# Altium PCB fmuvxX-baseT1.PcbDoc (part 1 of 5) (continued)
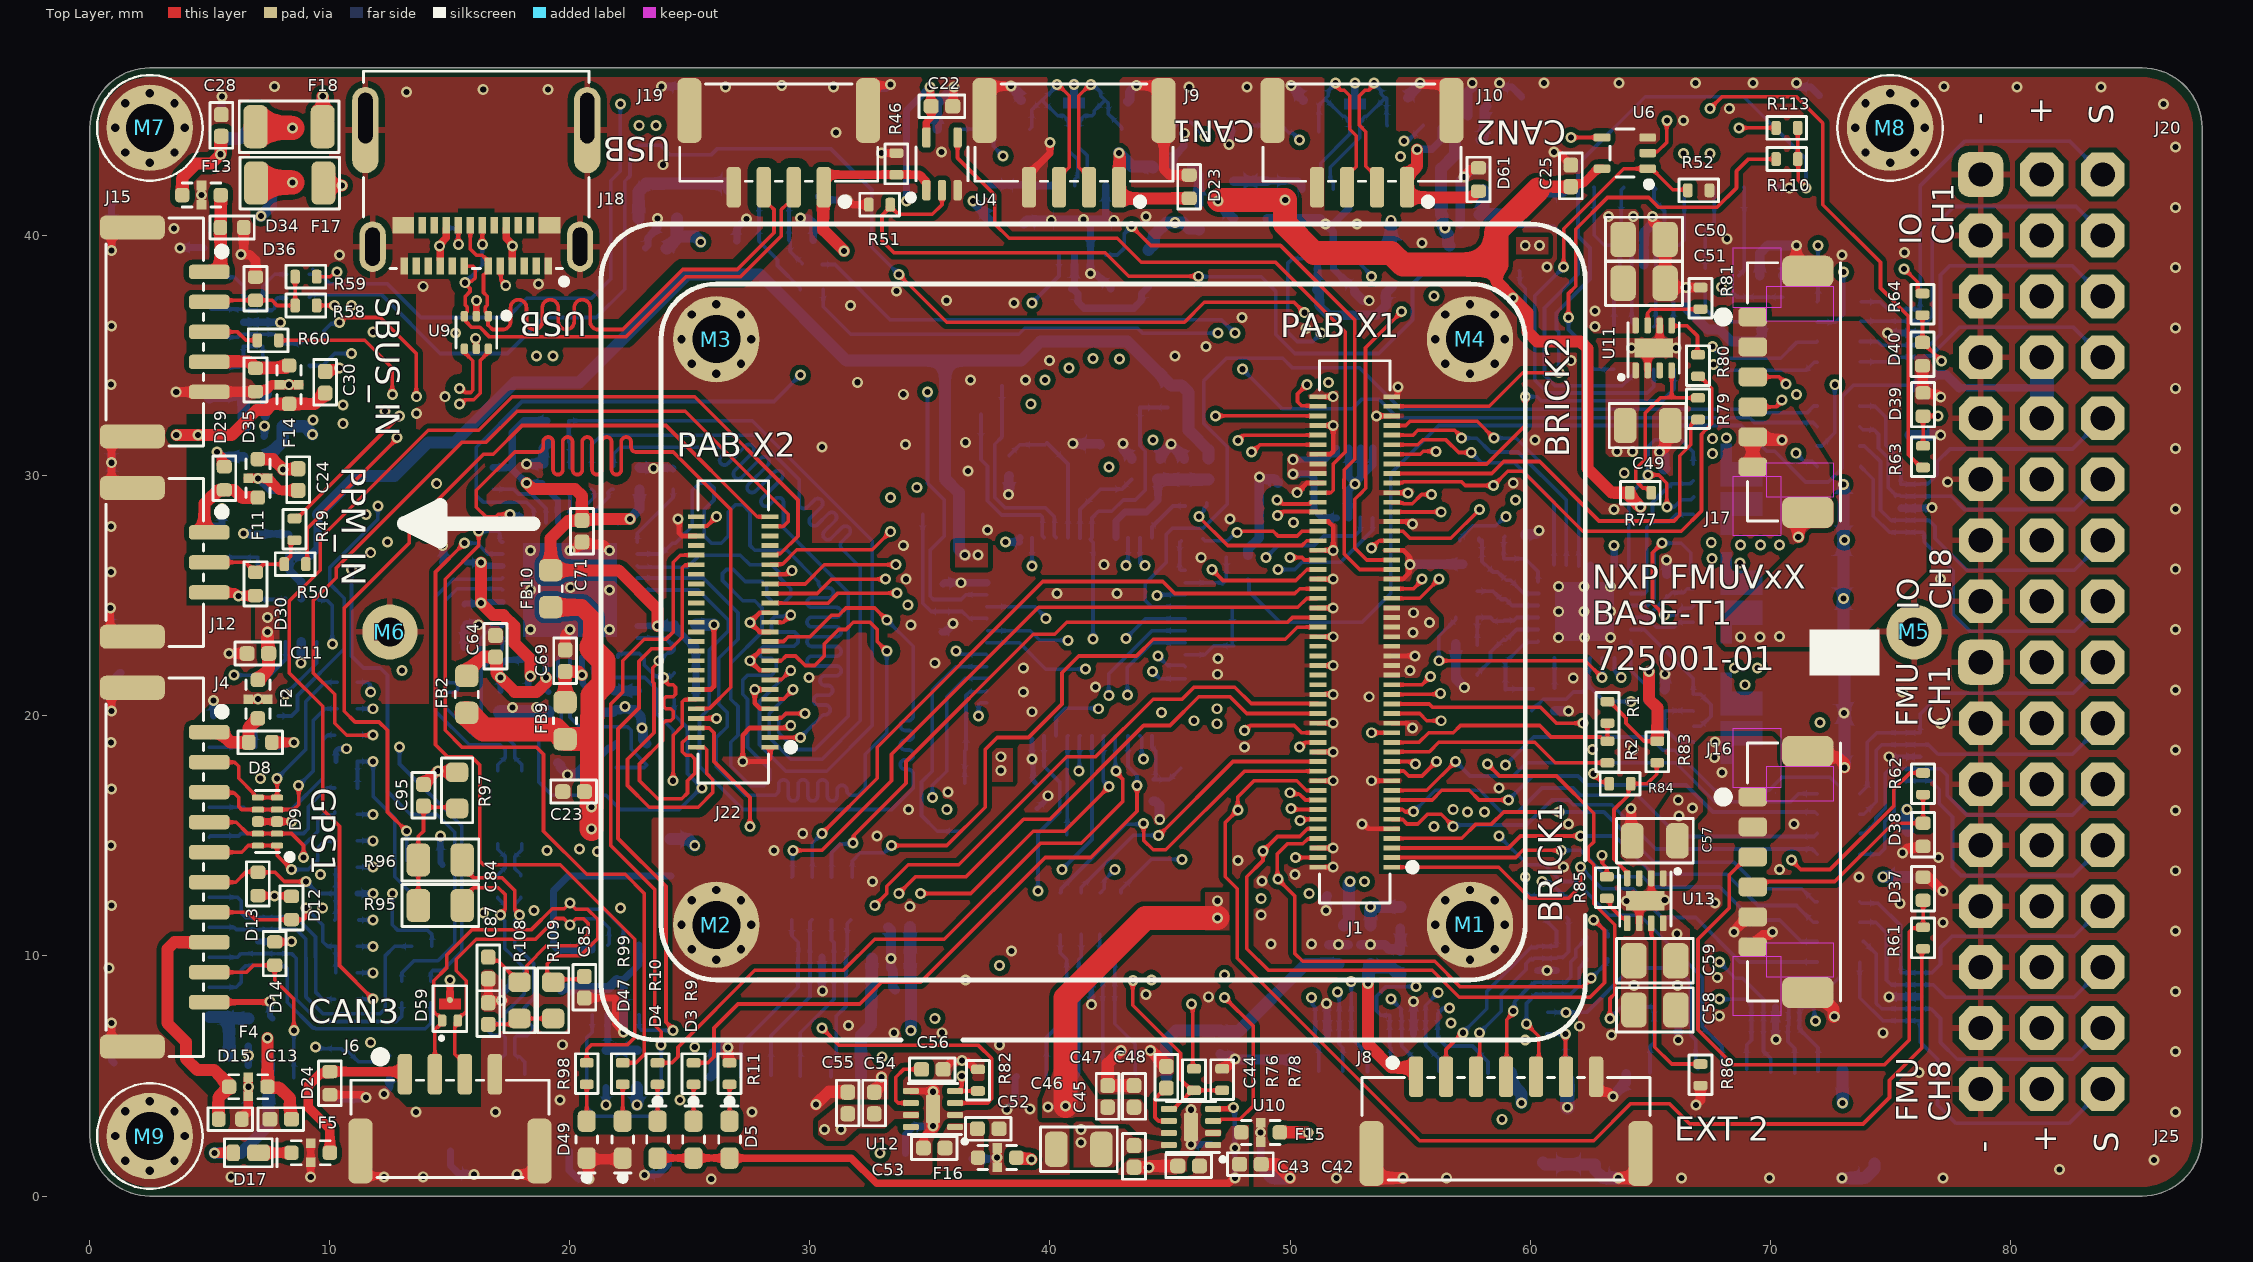
[diagram p0: Top Layer view]
## Components (designator, comment, footprint, x,y, rotation, side; value= is the part's Value field where it differs from the comment) (continued)
D9 "DIODE TVS BIDIRECTIONAL 5V 10V 10UDFN" UDFN10P50_250X100X55L35X20N#2 7.4,15.6 r180 top
D10 "DIODE TVS BIDIRECTIONAL 14VWM 40VC 0402" DIONC100X50X43L20N 33.05,8.6 r180 bottom
D11 "DIODE TVS BIDIRECTIONAL 5V 10V 10UDFN" UDFN10P50_250X100X55L35X20N#1 30.5,9.55 r270 bottom locked
D12 "DIODE TVS BIDIRECTIONAL 14VWM 40VC 0402" DIONC100X50X43L20N 8.4,12 r270 top
D13 "DIODE TVS BIDIRECTIONAL 14VWM 40VC 0402" DIONC100X50X43L20N 7,13 r90 top
D14 "DIODE TVS BIDIRECTIONAL 14VWM 40VC 0402" DIONC100X50X43L20N 7.7,10.1 r270 top
D15 "DIODE TVS BIDIRECTIONAL 14VWM 40VC 0402" DIONC100X50X43L20N 5.85,3.2 r180 top
D16 "DIODE SCHOTTKY 20V 2A DFN1608D-2" DIODFN2_160X80X40L34X71N 46.2,40.9 r270 bottom
D17 "DIODE SCHOTTKY 20V 2A DFN1608D-2" DIODFN2_160X80X40L34X71N 6.6,1.8 r180 top
D18 "DIODE TVS BIDIRECTIONAL 14VWM 40VC 0402" DIONC100X50X43L20N 6.9,33.4 r180 bottom
D19 "DIODE TVS BIDIRECTIONAL 5V 10V 10UDFN" UDFN10P50_250X100X55L35X20N#1 6.8,36.4 r180 bottom locked
D20 "DIODE TVS BIDIRECTIONAL 14VWM 40VC 0402" DIONC100X50X43L20N 54.6,9.725 r270 bottom
D21 "DIODE TVS BIDIRECTIONAL 5V 10V 10UDFN" UDFN10P50_250X100X55L35X20N#1 60.705,9.4 r180 bottom locked
D22 "DIODE TVS BIDIRECTIONAL 14VWM 40VC 0402" DIONC100X50X43L20N 61.55,5.325 r90 bottom
D23 "DIODE TVS BIDIRECTIONAL 14VWM 40VC 0402" DIONC100X50X43L20N 45.8,42.05 r270 top
D24 "DIODE TVS BIDIRECTIONAL 14VWM 40VC 0402" DIONC100X50X43L20N 10,4.7 r90 top
D25 "DIODE TVS BIDIRECTIONAL 14VWM 40VC 0402" DIONC100X50X43L20N 7.1,7.4 r180 bottom
D26 "DIODE TVS BIDIRECTIONAL 5V 10V 10UDFN" UDFN10P50_250X100X55L35X20N#1 7.4,10.6 r180 bottom
D27 "DIODE TVS BIDIRECTIONAL 5V 10V 10UDFN" UDFN10P50_250X100X55L35X20N#1 7.4,15.6 r180 bottom
D28 "DIODE TVS BIDIRECTIONAL 14VWM 40VC 0402" DIONC100X50X43L20N 7.4,18.7 r180 bottom
D29 "DIODE TVS BIDIRECTIONAL 14VWM 40VC 0402" DIONC100X50X43L20N 5.6,29.9 r270 top
D30 "DIODE TVS BIDIRECTIONAL 14VWM 40VC 0402" DIONC100X50X43L20N 6.9,25.5 r90 top
D31 "DIODE TVS BIDIRECTIONAL 14VWM 40VC 0402" DIONC100X50X43L20N 58.05,42.4 r270 bottom
D32 "DIODE TVS BIDIRECTIONAL 14VWM 40VC 0402" DIONC100X50X43L20N 7,27.1 r270 bottom
D33 "DIODE TVS BIDIRECTIONAL 5V 10V 10UDFN" UDFN10P50_250X100X55L35X20N#1 64.735,39.209 r90 bottom locked
D34 "DIODE TVS BIDIRECTIONAL 14VWM 40VC 0402" DIONC100X50X43L20N 5.925,40.35 r180 top
D35 "DIODE TVS BIDIRECTIONAL 14VWM 40VC 0402" DIONC100X50X43L20N 6.9,34 r90 top
D36 "DIODE TVS BIDIRECTIONAL 14VWM 40VC 0402" DIONC100X50X43L20N 6.9,37.8 r270 top
D37 "DIODE TVS BIDIRECTIONAL 14VWM 40VC 0402" DIONC100X50X43L20N 76.375,12.8 r270 top
D38 "DIODE TVS BIDIRECTIONAL 14VWM 40VC 0402" DIONC100X50X43L20N 76.375,15.05 r90 top
D39 "DIODE TVS BIDIRECTIONAL 14VWM 40VC 0402" DIONC100X50X43L20N 76.375,32.975 r270 top
D40 "DIODE TVS BIDIRECTIONAL 14VWM 40VC 0402" DIONC100X50X43L20N 76.35,35.075 r90 top
D41 "DIODE SCHOTTKY 40V 500MA SOD323F" SODFL2512X80L40X35N 8.7,42.35 r0 bottom
D42 "DIODE SCHOTTKY 40V 500MA SOD323F" SODFL2512X80L40X35N 8.7,44.55 r0 bottom
D43 "DIODE TVS BIDIRECTIONAL 5V 10V 10UDFN" UDFN10P50_250X100X55L35X20N#1 75.85,8.3 r180 bottom locked
D44 "DIODE TVS BIDIRECTIONAL 5V 10V 10UDFN" UDFN10P50_250X100X55L35X20N#1 75.85,18.3 r180 bottom locked
D45 "DIODE TVS BIDIRECTIONAL 5V 10V 10UDFN" UDFN10P50_250X100X55L35X20N#1 75.85,28.65 r180 bottom locked
D46 "DIODE TVS BIDIRECTIONAL 5V 10V 10UDFN" UDFN10P50_250X100X55L35X20N#1 75.85,35.95 r180 bottom locked
D47 "LED GREEN CLEAR 0603 SMD" LEDSC80X160X65L40N_GRN 22.2,2.35 r90 top locked
D48 "DIODE TVS DUAL ETHERNET TO-236AB" SOT23-3P95_230X110L30X43N_GENERIC 17.5,8 r180 bottom
D49 "LED ORANGE CLEAR 0603 SMD" LEDSC80X160X65L40N_ORA 20.7,2.35 r90 top locked
D52 "DIODE SCHOTTKY 70V 70MA SOD523" SODFL120X80X70L30X30 68.848,16.905 r180 bottom
D53 "DIODE TVS BIDIRECTIONAL 5V 10V 10UDFN" UDFN10P50_250X100X55L35X20N#1 70.225,7.475 r270 bottom locked
D54 "DIODE TVS BIDIRECTIONAL 5V 10V 10UDFN" UDFN10P50_250X100X55L35X20N#1 66.175,7.475 r270 bottom locked
D55 "DIODE TVS BIDIRECTIONAL 14VWM 40VC 0402" DIONC100X50X43L20N 23.193,42.648 r270 bottom
D56 "DIODE TVS BIDIRECTIONAL 14VWM 40VC 0402" DIONC100X50X43L20N 27.402,39.77 r0 bottom
D57 "DIODE TVS BIDIRECTIONAL 14VWM 40VC 0402" DIONC100X50X43L20N 29.648,39.806 r180 bottom
D58 "DIODE TVS DUAL 42V CLAMP 2.6A (8/20us) DFN1110D-3" NEXPERIA_SOT8015 41,45.23 r180 bottom
D59 "DIODE TVS DUAL 42V CLAMP 2.6A (8/20us) DFN1110D-3" NEXPERIA_SOT8015 15,7.7 r0 top
D60 "DIODE SCHOTTKY 20V 2A DFN1608D-2" DIODFN2_160X80X40L34X71N 57.5,44 r180 bottom
D61 "DIODE TVS BIDIRECTIONAL 14VWM 40VC 0402" DIONC100X50X43L20N 57.85,42.35 r270 top
D62 "DIODE TVS DUAL 42V CLAMP 2.6A (8/20us) DFN1110D-3" NEXPERIA_SOT8015 52.7,45.2 r180 bottom
F1 "FILTER CAP FEEDTHRU 0.1UF 20% 16V 0603" NFM18PC104R1C3_0603_NO_VIA 52.025,10.475 r270 bottom
F2 "FILTER CAP FEEDTHRU 0.1UF 20% 16V 0603" NFM18PC104R1C3_0603_NO_VIA 7,20.7 r270 top
F3 "FILTER CAP FEEDTHRU 0.1UF 20% 16V 0603" NFM18PC104R1C3_0603_NO_VIA 33.375,9.9 r180 bottom
F4 "FILTER CAP FEEDTHRU 0.1UF 20% 16V 0603" NFM18PC104R1C3_0603_NO_VIA 6.6,4.55 r180 top
F5 "FILTER CAP FEEDTHRU 0.1UF 20% 16V 0603" NFM18PC104R1C3_0603_NO_VIA 9.2,1.8 r0 top
F6 "FILTER CAP FEEDTHRU 0.1UF 20% 16V 0603" NFM18PC104R1C3_0603_NO_VIA 7.275,32.075 r180 bottom
F7 "FILTER CAP FEEDTHRU 0.1UF 20% 16V 0603" NFM18PC104R1C3_0603_NO_VIA 53.35,10.475 r270 bottom
F8 "FILTER CAP FEEDTHRU 0.1UF 20% 16V 0603" NFM18PC104R1C3_0603_NO_VIA 45.1,42.85 r180 bottom
F9 "FILTER CAP FEEDTHRU 0.1UF 20% 16V 0603" NFM18PC104R1C3_0603_NO_VIA 57.4,45.4 r180 bottom
F10 "FILTER CAP FEEDTHRU 0.1UF 20% 16V 0603" NFM18PC104R1C3_0603_NO_VIA 6.6,5.85 r180 bottom
F11 "FILTER CAP FEEDTHRU 0.1UF 20% 16V 0603" NFM18PC104R1C3_0603_NO_VIA 7,29.9 r270 top
F12 "FILTER CAP FEEDTHRU 0.1UF 20% 16V 0603" NFM18PC104R1C3_0603_NO_VIA 57.1,40.9 r0 bottom
F13 "FILTER CAP FEEDTHRU 0.1UF 20% 16V 0603" NFM18PC104R1C3_0603_NO_VIA 4.65,41.7 r0 top
F14 "FILTER CAP FEEDTHRU 0.1UF 20% 16V 0603" NFM18PC104R1C3_0603_NO_VIA 8.3,33.8 r90 top
F15 "FILTER CAP FEEDTHRU 0.1UF 20% 16V 0603" NFM18PC104R1C3_0603_NO_VIA 48.775,2.65 r180 top
F16 "FILTER CAP FEEDTHRU 0.1UF 20% 16V 0603" NFM18PC104R1C3_0603_NO_VIA 37.8,1.6 r180 top
F17 "FUSE PTC RESETTABLE 250MA 16V 1206" PTC-1206 8.325,42.2 r0 top
F18 "FUSE PTC RESETTABLE 250MA 16V 1206" PTC-1206 8.3,44.55 r0 top
F19 "CMC 100uH 150mA 2LN 5.1KOHMS SMD" TDK_ACT1210D 17.5,16.2 r270 bottom locked
F21 "FILTER CAP FEEDTHRU 0.1UF 20% 16V 0603" NFM18PC104R1C3_0603_NO_VIA 23.657,40.727 r180 bottom
FB1 "IND FERRITE 600@100M 300mA 0402" BEADC100X50X55L25 46.6,30.3 r270 bottom value=600@100M
FB2 "IND FERRITE 600 OHMS @100M 500mA 0603" BEADC160X80X95L36N 15.7,20.9 r90 top value="600 Ohms @100M"
FB3 "IND FERRITE 120@100M 3A 20mOhm 0603" BEADC160X80X95L36N 37.5,41.4 r90 bottom value=120@100M
FB4 "IND FERRITE 120@100M 3A 20mOhm 0603" BEADC160X80X95L36N 44.1,38.65 r270 bottom value=120@100M
FB5 "IND FERRITE 120@100M 3A 20mOhm 0603" BEADC160X80X95L36N 24.2,14.1 r270 bottom value=120@100M
FB6 "IND FERRITE 120@100M 3A 20mOhm 0603" BEADC160X80X95L36N 22.8,5.3 r90 bottom value=120@100M
FB7 "IND FERRITE 120@100M 3A 20mOhm 0603" BEADC160X80X95L36N 47.65,41.5 r90 bottom value=120@100M
FB8 "IND FERRITE 120@100M 3A 20mOhm 0603" BEADC160X80X95L36N 54.25,38.65 r270 bottom value=120@100M
FB9 "IND FERRITE 600 OHMS @100M 500mA 0603" BEADC160X80X95L36N 19.8,19.8 r90 top value="600 Ohms @100M"
FB10 "IND FERRITE 600 OHMS @100M 500mA 0603" BEADC160X80X95L36N 19.2,25.3 r270 top value="600 Ohms @100M"
J1 "CONN RCPT 100POS 0.4MM SMD GOLD" HIROSE_DF40HC3_0-100DS-0_4V51 52.7,23.5 r90 top locked
J2 "CONN HEADER SH 10POS SIDE 1MM SMT" JST_SM10B-SRSS-TB 54.7,2.76 r180 bottom locked
J3 "CONN HEADER GH SIDE 6POS 1.25MM SMT" JST_SM06B-GHS-TBLFSN 41.725,2.8 r180 bottom locked
J4 "CONN HEADER GH 10POS SIDE 1.25MM SMT" JST_SM10B-GHS-TBLFSN 2.7,13.7 r270 top locked
J5 "CONN HEADER GH SIDE 6POS 1.25MM SMT" JST_SM06B-GHS-TBLFSN 29,2.8 r180 bottom locked
J6 "CONN HEADER GH SIDE 4POS 1.25MM SMT" JST_SM04B-GHS-TBLFSN 15,2.8 r0 top locked
J7 "CONN HEADER GH SIDE 6POS 1.25MM SMT" JST_SM06B-GHS-TBLFSN 2.8,36.4 r90 bottom locked
J8 "CONN HEADER GH 7POS SIDE 1.25MM SMT" JST_SM07B-GHS-TBLFSN 59,2.8 r180 top locked
J9 "CONN HEADER GH SIDE 4POS 1.25MM SMT" JST_SM04B-GHS-TBLFSN 41,44.3 r180 top locked
J10 "CONN HEADER GH SIDE 4POS 1.25MM SMT" JST_SM04B-GHS-TBLFSN 53,44.3 r180 top locked
J11 "CONN HEADER GH 11POS SIDE 1.25MM SMT" JST_SM11B-GHS-TBLFSN 2.7,13.7 r90 bottom locked
J12 "CONN HEADER GH SIDE 3POS 1.25MM" JST_SM03B-GHS-TBLFSN 2.7,26.4 r270 top locked
J13 "CONN HEADER GH SIDE 3POS 1.25MM" JST_SM03B-GHS-TBLFSN 2.7,26.6 r90 bottom locked
J14 "CONN HEADER GH 8POS SIDE 1.25MM SMT" JST_SM08B-GHS-TBLFSN 65.786,44.3 r0 bottom locked
J15 "CONN HEADER GH SIDE 5POS 1.25MM SMT" JST_SM05B-GHS-TBLFSN 2.7,36 r270 top locked
J16 "CONN HEADER MICRO-LOCK PLUS TOP 6POS 1.25MM SMT" MOLEX_505568-0681 71,13.5 r270 top locked
J17 "CONN HEADER MICRO-LOCK PLUS TOP 6POS 1.25MM SMT" MOLEX_505568-0681 71,33.5 r270 top locked
J18 "CONN RCPT USB C 3.1 SMT R/A SMD" MOLEX_2012670005 16.1,42.75 r180 top locked
J19 "CONN HEADER GH SIDE 4POS 1.25MM SMT" JST_SM04B-GHS-TBLFSN 28.7,44.3 r180 top locked
J20 "CONN HDR 24POS 2.54MM RA TH" 3X8RA_ABC 81.318,33.668 r180 top locked
J21 "CONN HEADER GH SIDE 2POS 1.25MM SMT" JST_SM02B-GHS-TBLFSN 17.5,2.8 r180 bottom locked
J22 "CONN RCPT 50POS 0.4MM SMD GOLD" HIROSE_DF40C-50DS-0-4V51 26.8,23.5 r90 top locked
J23 "CONN HEADER SH 10POS SIDE 1MM SMT" JST_SM10B-SRSS-TB 68.5,2.76 r180 bottom locked
J24 "CONN HEADER GH SIDE 4POS 1.25MM SMT" JST_SM04B-GHS-TBLFSN 28.5,44.2 r0 bottom locked
J25 "CONN HDR 24POS 2.54MM RA TH" 3X8RA_ABC 81.318,13.348 r180 top locked
M1 "MOUNT HOLE 2MM 3.6MM 8VIAS TH" MOUNT_HOLE_2MM_3.6MM_8VIA_TH 57.5,11.3 r0 top locked
M2 "MOUNT HOLE 2MM 3.6MM 8VIAS TH" MOUNT_HOLE_2MM_3.6MM_8VIA_TH 26.1,11.3 r0 top locked
M3 "MOUNT HOLE 2MM 3.6MM 8VIAS TH" MOUNT_HOLE_2MM_3.6MM_8VIA_TH 26.1,35.7 r0 top locked
M4 "MOUNT HOLE 2MM 3.6MM 8VIAS TH" MOUNT_HOLE_2MM_3.6MM_8VIA_TH 57.5,35.7 r0 top locked
M5 "MOUNT HOLE 1.2MM TH" MOUNT_HOLE_1.2MM_TH 76,23.5 r0 top locked
M6 "MOUNT HOLE 1.2MM TH" MOUNT_HOLE_1.2MM_TH 12.5,23.5 r0 top locked
M7 "MOUNT HOLE 2MM 3.6MM 8VIAS TH" MOUNT_HOLE_2MM_3.6MM_8via_TH 2.5,44.5 r0 top locked
M8 "MOUNT HOLE 2MM 3.6MM 8VIAS TH" MOUNT_HOLE_2MM_3.6MM_8via_TH 75,44.5 r0 top locked
M9 "MOUNT HOLE 2MM 3.6MM 8VIAS TH" MOUNT_HOLE_2MM_3.6MM_8via_TH 2.5,2.5 r0 top
Q1 "TRANSISTOR MOSFET N-CH 30V 5.7A SOT23" SOT23-3P95_230X110L30X43N 9.6,5.1 r270 bottom
Q2 "TRANSISTOR N-CH 50V .21A  SC-70" ONSEMI_SC-70-3P65_210X110L20X32N 14,12.9 r270 bottom
Q3 "TRAN MOSFET 2P-CH 20V 6A PowerPAK" VISHAY_POWERPAK_1212-8_DUAL 68.25,19.9 r90 bottom
Q4 "TRAN MOSFET 2P-CH 20V 6A PowerPAK" VISHAY_POWERPAK_1212-8_DUAL 68.25,24.925 r90 bottom locked
Q5 "TRAN MOSFET 2P-CH 20V 6A PowerPAK" VISHAY_POWERPAK_1212-8_DUAL 68.25,29.45 r90 bottom locked
R1 "RES SMD 115K OHM 1% 1/16W 0402" RESC100X50X40L25 63.225,20.15 r270 top value=115K
R2 "RES SMD 38.3K OHM 1% 1/16W 0402" RESC100X50X40L25 63.225,18.5 r270 top value=38.3K
R3 "RES SMD 10K OHM 1% 1/16W 0402" RESC100X50X40L25 36.9,17.2 r180 bottom value=10K
R4 "RES SMD 20K OHM 1% 1/16W 0402" RESC100X50X40L25 47.8,25.7 r180 bottom value=20K
R5 "RES SMD 220 OHM 1% 1/16W 0402" RESC100X50X40L25 46.075,28.8 r0 bottom value=220
R6 "RES SMD 220 OHM 1% 1/16W 0402" RESC100X50X40L25 45.925,27.3 r0 bottom value=220
R7 "RES SMD 10K OHM 1% 1/16W 0402" RESC100X50X40L25 47.8,26.6 r0 bottom value=10K
R8 "RES SMD 10K OHM 1% 1/16W 0402" RESC100X50X40L25 47.65,22.475 r270 bottom value=10K
R9 "RES SMD 1.5K OHM 1% 1/16W 0402" RESC100X50X40L25 25.15,5.1 r90 top value=1K5
R10 "RES SMD 2.2K OHM 1% 1/16W 0402" RESC100X50X40L25 23.65,5.1 r90 top value=2.2K
R11 "RES SMD 2.2K OHM 1% 1/16W 0402" RESC100X50X40L25 26.65,5.1 r90 top value=2.2K
R12 "RES SMD 10K OHM 1% 1/16W 0402" RESC100X50X40L25 44.9,33.3 r270 bottom value=10K
R13 "RES SMD 100K OHM 1% 1/16W 0402" RESC100X50X40L25 44.3,16.9 r270 bottom value=100K
R14 "RES SMD 10K OHM 1% 1/16W 0402" RESC100X50X40L25 35.5,23.9 r270 bottom value=10K
R15 "RES ARRAY 4 RES 220 OHM 1206" RESCAF8P80_320X160X61L30X65N#1 41.7,11.75 r90 bottom locked value="4X 220R"
R16 "RES SMD 220 OHM 1% 1/16W 0402" RESC100X50X40L25 10.7,21.4 r180 bottom value=220
R17 "RES SMD 220 OHM 1% 1/16W 0402" RESC100X50X40L25 10.7,20.3 r180 bottom value=220
R18 "RES SMD 120 OHM 1% 1/16W 0402" RESC100X50X40L25 10.7,15.9 r180 bottom value=120
R19 "RES SMD 120 OHM 1% 1/16W 0402" RESC100X50X40L25 10.7,14.8 r180 bottom value=120
R20 "RES SMD 220 OHM 1% 1/16W 0402" RESC100X50X40L25 10.7,13.7 r180 bottom value=220
R21 "RES SMD 220 OHM 1% 1/16W 0402" RESC100X50X40L25 10.7,11.5 r180 bottom value=220
R22 "RES SMD 68 OHM 1% 1/16W 0402" RESC100X50X40L25 10.7,9.3 r180 bottom value=68
R23 "RES SMD 68 OHM 1% 1/16W 0402" RESC100X50X40L25 10.7,10.4 r180 bottom value=68
R24 "RES ARRAY 4 RES 220 OHM 1206" RESCAF8P80_320X160X61L30X65N#1 30.5,12.4 r90 bottom locked value="4X 220R"
R25 "RES SMD 1.5K OHM 1% 1/16W 0402" RESC100X50X40L25 10.7,12.6 r0 bottom value=1K5
R26 "RES SMD 10K OHM 1% 1/16W 0402" RESC100X50X40L25 12.5,5.4 r270 bottom value=10K
R27 "RES SMD 10K OHM 1% 1/16W 0402" RESC100X50X40L25 19.5,32.3 r180 bottom value=10K
R28 "RES SMD 220 OHM 1% 1/16W 0402" RESC100X50X40L25 8.7,34.6 r180 bottom value=220
R29 "RES SMD 220 OHM 1% 1/16W 0402" RESC100X50X40L25 9.3,35.6 r180 bottom value=220
R30 "RES SMD 120 OHM 1% 1/16W 0402" RESC100X50X40L25 8.7,37.45 r180 bottom value=120
R31 "RES SMD 120 OHM 1% 1/16W 0402" RESC100X50X40L25 8.7,38.4 r180 bottom value=120
R32 "RES SMD 220 OHM 1% 1/16W 0402" RESC100X50X40L25 60.475,12.05 r270 bottom value=220
R33 "RES SMD 220 OHM 1% 1/16W 0402" RESC100X50X40L25 61.525,12.025 r270 bottom value=220
R34 "RES SMD 120 OHM 1% 1/16W 0402" RESC100X50X40L25 62.8,10.8 r180 bottom value=120
R35 "RES SMD 120 OHM 1% 1/16W 0402" RESC100X50X40L25 62.8,9.875 r180 bottom value=120
R36 "RES SMD 120 OHM 1% 1/16W 0402" RESC100X50X40L25 60.75,7.2 r270 bottom value=120
R37 "RES SMD 10K OHM 1% 1/16W 0402" RESC100X50X40L25 19.5,31.4 r180 bottom value=10K
R38 "RES 60.4 1% 1/4W 0603" RESC1608X55L30N 38.4,44.45 r180 bottom value=60.4
R39 "RES SMD 49R9 OHM 1% 1/16W 0402" RESC100X50X40L25 14.2,8.5 r270 bottom value=49.9
R40 "RES SMD 49R9 OHM 1% 1/16W 0402" RESC100X50X40L25 13,8.5 r270 bottom value=49.9
R41 "RES SMD 49R9 OHM 1% 1/16W 0402" RESC100X50X40L25 13.8,10.4 r180 bottom value=49.9
R42 "RES SMD 120 OHM 1% 1/16W 0402" RESC100X50X40L25 10.7,8.2 r180 bottom value=120
R43 "RES SMD 2K OHM 1% 1/16W 0402" RESC100X50X40L25 10.7,18.1 r0 bottom value=2K
R44 "RES SMD 120 OHM 1% 1/16W 0402" RESC100X50X40L25 10.7,17 r180 bottom value=120
R45 "RES SMD 120 OHM 1% 1/16W 0402" RESC100X50X40L25 7.4,20 r180 bottom value=120
R46 "RES SMD 1K OHM 1% 1/16W 0402" RESC100X50X40L25 33.6,43 r90 top value=1K
R47 "RES SMD 10K OHM 1% 1/16W 0402" RESC100X50X40L25 59.1,38.55 r0 bottom value=10K
R48 "RES SMD 22 OHM 1% 1/16W 0402" RESC100X50X40L25 20.9,29.9 r90 bottom value=22
R49 "RES SMD 220 OHM 1% 1/16W 0402" RESC100X50X40L25 8.525,27.775 r270 top value=220
R50 "RES SMD 220 OHM 1% 1/16W 0402" RESC100X50X40L25 8.55,26.325 r180 top value=220
R51 "RES SMD 10K OHM 1% 1/16W 0402" RESC100X50X40L25 32.9,41.3 r180 top value=10K
R52 "RES SMD 10K OHM 1% 1/16W 0402" RESC100X50X40L25 67.025,41.9 r0 top value=10K
R53 "RES SMD 220 OHM 1% 1/16W 0402" RESC100X50X40L25 7,25.3 r90 bottom value=220
R54 "RES ARRAY 4 RES 220 OHM 1206" RESCAF8P80_320X160X61L30X65N#1 64.75,35.325 r270 bottom locked value="4X 220R"
R55 "RES SMD 10K OHM 1% 1/16W 0402" RESC100X50X40L25 67.3,38.2 r90 bottom value=10K
R56 "RES SMD 10K OHM 1% 1/16W 0402" RESC100X50X40L25 68.625,37.9 r90 bottom value=10K
R57 "RES SMD 10K OHM 1% 1/16W 0402" RESC100X50X40L25 69.575,37.9 r90 bottom value=10K
R58 "RES SMD 220 OHM 1% 1/16W 0402" RESC100X50X40L25 9,37.1 r180 top value=220
R59 "RES SMD 220 OHM 1% 1/16W 0402" RESC100X50X40L25 9,38.3 r180 top value=220
R60 "RES SMD 10K OHM 1% 1/16W 0402" RESC100X50X40L25 7.425,35.65 r180 top value=10K
R61 "RES SMD 120 OHM 1% 1/16W 0402" RESC100X50X40L25 76.375,10.75 r270 top value=120
R62 "RES SMD 120 OHM 1% 1/16W 0402" RESC100X50X40L25 76.375,17.175 r90 top value=120
R63 "RES SMD 120 OHM 1% 1/16W 0402" RESC100X50X40L25 76.375,30.8 r270 top value=120
R64 "RES SMD 120 OHM 1% 1/16W 0402" RESC100X50X40L25 76.35,37.15 r90 top value=120
R65 "RES SMD 453K OHM 1% 1/16W 0402" RESC100X50X40L25 60.1,20.7 r90 bottom value=453K
R66 "RES SMD 453K OHM 1% 1/16W 0402" RESC100X50X40L25 57.35,24.1 r0 bottom value=453K
R67 "RES SMD 453K OHM 1% 1/16W 0402" RESC100X50X40L25 57.525,27.3 r0 bottom value=453K
R68 "RES SMD 0 OHM 1% 1/16W 0402" RESC100X50X40L25 61.025,20.675 r270 bottom value=0R
R69 "RES SMD 56K OHM 1% 1/16W 0402" RESC100X50X40L25 58.9,22.7 r90 bottom value=56K
R70 "RES SMD 56K OHM 1% 1/16W 0402" RESC100X50X40L25 58.9,24.4 r90 bottom value=56K
R71 "RES SMD 56K OHM 1% 1/16W 0402" RESC100X50X40L25 59.1,26.1 r90 bottom value=56K
R72 "RES SMD 105K OHM 1% 1/16W 0402" RESC100X50X40L25 57.35,21.7 r180 bottom value=105K
R73 "RES SMD 105K OHM 1% 1/16W 0402" RESC100X50X40L25 57.35,25.2 r180 bottom value=105K
R74 "RES SMD 105K OHM 1% 1/16W 0402" RESC100X50X40L25 59.35,27.5 r0 bottom value=105K
R75 "RES SMD 5.1K OHM 1% 1/16W 0402" RESC100X50X40L25 14.35,40.325 r180 bottom value=5.1K
R76 "RES SMD 10K OHM 1% 1/16W 0402" RESC100X50X40L25 46,4.85 r270 top value=10K
R77 "RES SMD 47K OHM 1% 1/16W 0402" RESC100X50X40L25 64.6,29.3 r0 top value=47K
R78 "RES SMD 47K OHM 1% 1/16W 0402" RESC100X50X40L25 47.175,4.85 r90 top value=47K
R79 "RES SMD 47K OHM 1% 1/16W 0402" RESC100X50X40L25 67,32.8 r270 top value=47K
R80 "RES SMD 47K OHM 1% 1/16W 0402" RESC100X50X40L25 67,34.6 r270 top value=47K
R81 "RES SMD 16.9K OHM 1% 1/16W 0402" RESC100X50X40L25 67.1,37.4 r90 top value=16.9K
R82 "RES SMD 10K OHM 1% 1/16W 0402" RESC100X50X40L25 37,4.825 r270 top value=10K
R83 "RES SMD 47K OHM 1% 1/16W 0402" RESC100X50X40L25 65.3,18.5 r270 top value=47K
R84 "RES SMD 47K OHM 1% 1/16W 0402" RESC100X50X40L25 63.75,17.175 r180 top value=47K
R85 "RES SMD 47K OHM 1% 1/16W 0402" RESC100X50X40L25 63.2,12.85 r90 top value=47K
R86 "RES SMD 16.9K OHM 1% 1/16W 0402" RESC100X50X40L25 67.1,5.05 r270 top value=16.9K
R87 "RES ARRAY 4 RES 220 OHM 1206" RESCAF8P80_320X160X61L30X65N#2 72.85,11 r0 bottom locked value="4X 220R"
R88 "RES ARRAY 4 RES 220 OHM 1206" RESCAF8P80_320X160X61L30X65N#2 72.85,15.5 r0 bottom locked value="4X 220R"
R89 "RES ARRAY 4 RES 220 OHM 1206" RESCAF8P80_320X160X61L30X65N#1 72.85,31.65 r0 bottom locked value="4X 220R"
R90 "RES ARRAY 4 RES 220 OHM 1206" RESCAF8P80_320X160X61L30X65N#1 72.85,36 r0 bottom locked value="4X 220R"
R91 "RES SMD 10K OHM 1% 1/16W 0402" RESC100X50X40L25 16.8,29.9 r90 bottom value=10K
R92 "RES SMD 10K OHM 1% 1/16W 0402" RESC100X50X40L25 24.8,20.7 r180 bottom value=10K
R93 "RES SMD 10K OHM 1% 1/16W 0402" RESC100X50X40L25 24.8,21.8 r180 bottom value=10K
R94 "RES SMD 10K OHM 1% 1/16W 0402" RESC100X50X40L25 15.6,22.4 r90 bottom value=10K
R95 "RES SMD 1K OHM 1% 0.4W 0805" RESC200X125X70L40N 14.6,12.1 r180 top value=1K
R96 "RES SMD 1K OHM 1% 0.4W 0805" RESC200X125X70L40N 14.6,14 r180 top value=1K
R97 "RES 100K 1% 1/10W 0603" RESC1608X55L30N 15.3,16.9 r90 top value=100K
R98 "RES SMD 680 OHM 1% 1/16W 0402" RESC100X50X40L25 20.7,5.1 r270 top value=680
R99 "RES SMD 680 OHM 1% 1/16W 0402" RESC100X50X40L25 22.2,5.1 r270 top value=680
R100 "RES SMD 10K OHM 1% 1/16W 0402" RESC100X50X40L25 24.3,29.9 r90 bottom value=10K
R101 "RES SMD 22 OHM 1% 1/16W 0402" RESC100X50X40L25 20,29.9 r90 bottom value=22
R102 "RES SMD 2K OHM 1% 1/16W 0402" RESC100X50X40L25 24.8,22.8 r180 bottom value=2K
R103 "RES SMD 22 OHM 1% 1/16W 0402" RESC100X50X40L25 21.8,29.9 r90 bottom value=22
R104 "RES SMD 220 OHM 1% 1/16W 0402" RESC100X50X40L25 30.048,37.731 r180 bottom value=220
R105 "RES SMD 220 OHM 1% 1/16W 0402" RESC100X50X40L25 30.073,38.806 r180 bottom value=220
R106 "RES SMD 120 OHM 1% 1/16W 0402" RESC100X50X40L25 10.7,19.2 r180 bottom value=120
R107 "RES 60.4 1% 1/4W 0603" RESC1608X55L30N 43.75,44.45 r0 bottom value=60.4
R108 "RES 60.4 1% 1/4W 0603" RESC1608X55L30N 17.9,8.15 r270 top value=60.4
R109 "RES 60.4 1% 1/4W 0603" RESC1608X55L30N 19.3,8.15 r270 top value=60.4
R110 "RES SMD 0 OHM 1% 1/16W 0402" RESC100X50X40L25 70.7,43.2 r0 top value=0R
R111 "RES 60.4 1% 1/4W 0603" RESC1608X55L30N 50.4,44.6 r180 bottom value=60.4
R112 "RES 60.4 1% 1/4W 0603" RESC1608X55L30N 54.8,44.6 r0 bottom value=60.4
R113 "RES SMD 0 OHM 1% 1/16W 0402" RESC100X50X40L25 70.7,44.5 r0 top value=0R
TP2 "TESTPOINT PAD SMD" TEST_PAD_1MM 40.7,15.075 r90 bottom
TP3 "TESTPOINT PAD SMD" TEST_PAD_1MM 36.55,18.425 r180 bottom
TP4 "TESTPOINT PAD SMD" TEST_PAD_1MM 47.6,24.5 r90 bottom
TP5 "TESTPOINT PAD SMD" TEST_PAD_1MM 36.3,15.2 r180 bottom
TP6 "TESTPOINT PAD SMD" TEST_PAD_1MM 45.45,17.825 r180 bottom
TP7 "TESTPOINT PAD SMD" TEST_PAD_1MM 37.15,32.25 r90 bottom
TP8 "TESTPOINT PAD SMD" TEST_PAD_1MM 38,33.75 r90 bottom
TP9 "TESTPOINT PAD SMD" TEST_PAD_1MM 34.7,28.4 r90 bottom
TP17 "TESTPOINT PAD SMD" TEST_PAD_1MM 24.4,27.2 r90 bottom
U1 "IC MCU 32BIT 64KB FLASH 48LQFP" QFP48P50_900X900X160L60X22N 41.5,23.3 r0 bottom locked
U2 "IC CAN TRANSCEIVER HALF 1/1 8-HVSON" SON9P65_300X300X100L40X30T240X160_RECT_TABN 41.35,40.65 r90 bottom
U3 "IC CAN TRANSCEIVER HALF 1/1 8-HVSON" SON9P65_300X300X100L40X30T240X160_RECT_TABN 21.9,9 r90 bottom
U4 "IC GATE OR 1CH 2-INP SC88A" SOT23-5P65_210X110L36X22N 35.5,43 r0 top
U6 "IC GATE NAND SCHMITT OPEN DRAIN 1CH 2-INP SC88A" SOT23-5P65_210X110L20X20 63.95,43.45 r90 top
U7 "IC DUAL INV  SC70-6" SOT23-6P65_210X110L36X22N 8.8,24 r180 bottom
U8 "IC OR CTRLR SRC SELECT 24QFN" QFN25P50_400X400X80L40X25T245N 62.265,24.35 r0 bottom locked
U9 "IC FILTER RC(PI) 22 OHM/42PF SOT-563" SOFL6P50_160X160X60L20X22 16.1,35.975 r180 top locked
U10 "IC REG LIN 3.3V/3.3V 8TMLF" SON9P50_200X200X60L35X25T120X60N 45.875,2.875 r90 top locked
U11 "IC LI+ CHARGER FRONT END 8SON" SON9P50_200X200X80L30X25T160X80N#1 65.15,35.333 r0 top
U12 "IC REG LIN 3.3V/3.3V 8TMLF" SON9P50_200X200X60L35X25T120X60N 35.125,3.625 r90 top locked
U13 "IC LI+ CHARGER FRONT END 8SON" SON9P50_200X200X80L30X25T160X80N#2 64.8,12.3 r180 top
U14 "IC ETHERNET PHY 3.3/2.5/1.1V AEC-Q100 HVQFN36" QFN37P50_600X600X85L55X24T390N 20,25.25 r180 bottom locked
U15 "IC CAN TRANSCEIVER HALF 1/1 8-HVSON" SON9P65_300X300X100L40X30T240X160_RECT_TABN 51.475,40.495 r90 bottom
U16 "IC EEPROM 64K I2C 400KHZ 8DFN" SON9P50_200X300X100L40X25T153X170N 52.7,29.7 r270 bottom locked
X1 "CRYSTAL 24.0000MHZ 8PF SMD" XTAL_4PIN_320X250X80 40.95,30.375 r180 bottom
X2 "CRYSTAL 25.0000MHZ 6PF 4-SMD" OSCCC200X160X70L60X60 21.25,18.35 r0 bottom

## Footprints (in the part's own frame and the unit in brackets; to place one, negate y for a bottom-side part, rotate by r counter-clockwise, add the part's x,y. Pads: shape width x height; smd on the part's side, far side on the other; paste and mask are expansions set on the pad)
3X8RA_ABC [mil]
  rrect50% 74x74 hole 40: 1A(100,-350)
  oct 71.65x71.65 hole 40: 1B(0,-350) 1C(-100,-350) 2A(100,-250) 2B(0,-250) 2C(-100,-250) 3A(100,-150) 3B(0,-150) 3C(-100,-150) 4A(100,-50) 4B(0,-50) 4C(-100,-50) 5A(100,50) 5B(0,50) 5C(-100,50) 6A(100,150) 6B(0,150) 6C(-100,150) 7A(100,250) 7B(0,250) 7C(-100,250) 8A(100,350) 8B(0,350) 8C(-100,350)
  body extent -490,-400 113,400, height 325
BEADC100X50X55L25 [mm] "Ferrite Bead, Chip; 1.00 mm L X 0.50 mm W X 0.55 mm H body"
  rrect49% 0.45x0.5 smd: 1(-0.425,0) 2(0.425,0)
  silkscreen extent -0.82,-0.48 0.82,0.48, body extent -0.5,-0.25 0.5,0.25, height 0.55
BEADC160X80X95L36N [mm] "Ferrite Bead, Chip; 1.60 mm L X 0.80 mm W X 0.95 mm H body"
  rrect49% 0.93x0.97 smd: 1(-0.77,0) 2(0.77,0)
  silkscreen extent -0.13,-0.48 0.13,0.48, body extent -0.8,-0.4 0.8,0.4, height 0.95
CAPC100X50X56L25N [mm] "Capacitor Chip 1.00 mm L X 0.50 mm W X 0.56 mm H body"
  rrect49% 0.63x0.61 smd: 1(-0.45,0) 2(0.45,0)
  silkscreen extent -0.95,-0.48 0.95,0.48, body extent -0.5,-0.25 0.5,0.25, height 0.56
CAPC200X125X70L40N [mm] "Capacitor Chip 2.00 mm L X 1.25 mm W X 0.70 mm H body"
  rrect51% 0.94x1.47 smd: 1(-0.94,0) 2(0.94,0)
  silkscreen extent -1.6,-0.92 1.6,0.92, body extent -1,-0.63 1,0.63, height 0.7
CAPC200X125X145L45N [mm] "Capacitor, Chip; 2.00 mm L X 1.25 mm W X 1.45 mm H body"
  rrect47% 1.06x1.47 smd: 1(-0.875,0) 2(0.875,0)
  silkscreen extent -1.6,-0.92 1.6,0.92, body extent -1,-0.63 1,0.63, height 1.45
CAPC1608X90L30N [mm] "Capacitor Chip 1.60 mm L X 0.80 mm W X 0.90 mm H body"
  rrect50% 0.76x0.93 smd: 1(-0.785,0) 2(0.785,0)
  silkscreen extent -1.35,-0.65 1.35,0.65, body extent -0.8,-0.4 0.8,0.4, height 0.9
DIODFN2_160X80X40L34X71N [mm] "Diode, Dual Flat No-Lead, 2 pin; 1.60 mm L X 0.80 mm W X 0.40 mm H body"
  rrect50% 0.55x0.7 smd: A(0.625,0)
  rrect50% 0.95x0.7 smd: C(-0.425,0)
  silkscreen extent -1.2,-0.58 1,0.58, body extent -0.8,-0.4 0.8,0.4, height 0.4
DIONC100X50X43L20N [mm] "Diode, Non-Polarized, Chip; 1.00 mm L X 0.50 mm W X 0.43 mm H body"
  rrect50% 0.56x0.63 smd: 1(-0.485,0) 2(0.485,0)
  silkscreen extent -0.92,-0.48 0.92,0.48, body extent -0.5,-0.25 0.5,0.25, height 0.43
HIROSE_DF40C-50DS-0-4V51 [mm] "Connector, Vertical Board to Board Receptacle; 50 pin, 12.60 mm L X 2.94 mm W X 2.10 mm H body"
  rect 0.2x0.7 smd paste-0.02 mask+0.061: 1(-4.8,-1.54) 2(-4.8,1.54) 3(-4.4,-1.54) 4(-4.4,1.54) 5(-4,-1.54) 6(-4,1.54) 7(-3.6,-1.54) 8(-3.6,1.54) 9(-3.2,-1.54) 10(-3.2,1.54) 11(-2.8,-1.54) 12(-2.8,1.54) 13(-2.4,-1.54) 14(-2.4,1.54) 15(-2,-1.54) 16(-2,1.54) 17(-1.6,-1.54) 18(-1.6,1.54) 19(-1.2,-1.54) 20(-1.2,1.54) 21(-0.8,-1.54) 22(-0.8,1.54) 23(-0.4,-1.54) 24(-0.4,1.54) 25(0,-1.54) 26(0,1.54) 27(0.4,-1.54) 28(0.4,1.54) 29(0.8,-1.54) 30(0.8,1.54) 31(1.2,-1.54) 32(1.2,1.54) 33(1.6,-1.54) 34(1.6,1.54) 35(2,-1.54) 36(2,1.54) 37(2.4,-1.54) 38(2.4,1.54) 39(2.8,-1.54) 40(2.8,1.54) 41(3.2,-1.54) 42(3.2,1.54) 43(3.6,-1.54) 44(3.6,1.54) 45(4,-1.54) 46(4,1.54) 47(4.4,-1.54) 48(4.4,1.54) 49(4.8,-1.54) 50(4.8,1.54)
  silkscreen extent -6.3,-2.55 6.3,1.47, body extent -6.3,-1.71 6.3,1.67, height 2.9
HIROSE_DF40HC3_0-100DS-0_4V51 [mm] "Connector, Vertical Board to Board Receptacle; 100 pin, 22.60 mm L X 2.94 mm W X 3.05 mm H body"
  rect 0.2x0.7 smd mask+0.061: 1(-9.8,-1.54) 2(-9.8,1.54) 3(-9.4,-1.54) 4(-9.4,1.54) 5(-9,-1.54) 6(-9,1.54) 7(-8.6,-1.54) 8(-8.6,1.54) 9(-8.2,-1.54) 10(-8.2,1.54) 11(-7.8,-1.54) 12(-7.8,1.54) 13(-7.4,-1.54) 14(-7.4,1.54) 15(-7,-1.54) 16(-7,1.54) 17(-6.6,-1.54) 18(-6.6,1.54) 19(-6.2,-1.54) 20(-6.2,1.54) 21(-5.8,-1.54) 22(-5.8,1.54) 23(-5.4,-1.54) 24(-5.4,1.54) 25(-5,-1.54) 26(-5,1.54) 27(-4.6,-1.54) 28(-4.6,1.54) 29(-4.2,-1.54) 30(-4.2,1.54) 31(-3.8,-1.54) 32(-3.8,1.54) 33(-3.4,-1.54) 34(-3.4,1.54) 35(-3,-1.54) 36(-3,1.54) 37(-2.6,-1.54) 38(-2.6,1.54) 39(-2.2,-1.54) 40(-2.2,1.54) 41(-1.8,-1.54) 42(-1.8,1.54) 43(-1.4,-1.54) 44(-1.4,1.54) 45(-1,-1.54) 46(-1,1.54) 47(-0.6,-1.54) 48(-0.6,1.54) 49(-0.2,-1.54) 50(-0.2,1.54) 51(0.2,-1.54) 52(0.2,1.54) 53(0.6,-1.54) 54(0.6,1.54) 55(1,-1.54) 56(1,1.54) 57(1.4,-1.54) 58(1.4,1.54) 59(1.8,-1.54) 60(1.8,1.54) 61(2.2,-1.54) 62(2.2,1.54) 63(2.6,-1.54) 64(2.6,1.54) 65(3,-1.54) 66(3,1.54) 67(3.4,-1.54) 68(3.4,1.54) 69(3.8,-1.54) 70(3.8,1.54) 71(4.2,-1.54) 72(4.2,1.54) 73(4.6,-1.54) 74(4.6,1.54) 75(5,-1.54) 76(5,1.54) 77(5.4,-1.54) 78(5.4,1.54) 79(5.8,-1.54) 80(5.8,1.54) 81(6.2,-1.54) 82(6.2,1.54) 83(6.6,-1.54) 84(6.6,1.54) 85(7,-1.54) 86(7,1.54) 87(7.4,-1.54) 88(7.4,1.54) 89(7.8,-1.54) 90(7.8,1.54) 91(8.2,-1.54) 92(8.2,1.54) 93(8.6,-1.54) 94(8.6,1.54) 95(9,-1.54) 96(9,1.54) 97(9.4,-1.54) 98(9.4,1.54) 99(9.8,-1.54) 100(9.8,1.54)
  silkscreen extent -11.3,-2.55 11.3,1.47, body extent -11.31,-1.69 11.29,1.69, height 2.9
JST_SM02B-GHS-TBLFSN [mm] "Header, Right Angle Plug; 4 pin, 5.75 mm L X 4.05 mm W X 4.35 mm H body"
  rrect50% 0.6x1.7 smd: 1(-0.625,2.27) 2(0.625,2.27)
  rrect50% 1x2.7 smd: M1(-2.475,-0.93) M2(2.475,-0.93)
  silkscreen extent -2.88,-2.03 2.88,3.24, body extent -2.88,-2.05 2.87,2.8, height 4.35
JST_SM03B-GHS-TBLFSN [mm] "Connector, Right Angle Shrouded Plug; 5 pin, 7.00 mm L X 4.05 mm W X 4.45 mm H body"
  rrect50% 0.6x1.7 smd: 1(-1.25,2.27) 2(0,2.27) 3(1.25,2.27)
  rrect50% 1x2.7 smd: M1(-3.1,-0.93) M2(3.1,-0.93)
  silkscreen extent -3.5,-2.03 3.5,2.96, body extent -3.5,-2.05 3.5,2.8, height 4.35
JST_SM04B-GHS-TBLFSN [mm] "Header, Right Angle Shrouded Plug; 6 pin, 8.25 mm L X 4.05 mm W X 4.35 mm H body"
  rrect50% 0.6x1.7 smd: 1(-1.875,2.275) 2(-0.625,2.275) 3(0.625,2.275) 4(1.875,2.275)
  rrect50% 1x2.7 smd: M1(-3.725,-0.925) M2(3.725,-0.925)
  silkscreen extent -4.13,-2.02 4.13,3.2, body extent -4.13,-2.05 4.12,2.8, height 4.35
JST_SM05B-GHS-TBLFSN [mm] "Connector, Right Angle Shrouded Plug; 7 pin, 9.50 mm L X 4.05 mm W X 4.45 mm H body"
  rrect50% 0.6x1.7 smd: 1(-2.5,2.27) 2(-1.25,2.27) 3(0,2.27) 4(1.25,2.27) 5(2.5,2.27)
  rrect50% 1x2.7 smd: M1(-4.35,-0.93) M2(4.35,-0.93)
  silkscreen extent -4.75,-2.03 4.75,2.96, body extent -4.8,-2.05 4.7,2.8, height 4.35
JST_SM06B-GHS-TBLFSN [mm] "Header, Right Angle Shrouded Receptacle; 6 pin, 10.95 mm L X 4.05 mm W X 4.35 mm H body"
  rrect50% 0.6x1.7 smd: 1(-3.125,2.175) 2(-1.875,2.175) 3(-0.625,2.175) 4(0.625,2.175) 5(1.875,2.175) 6(3.125,2.175)
  rrect50% 1x2.7 smd: M1(-4.975,-1.025) M2(4.975,-1.025)
  silkscreen extent -5.48,-2.17 5.48,3.12, body extent -5.37,-2.1 5.38,2.75, height 4.35